# Altium PCB BMS Slave V0.1.PcbDoc (part 5 of 6)
Units mm, origin at the board's own origin, x right, y up, seen from the top; angles counter-clockwise.
Board outline 105 x 163 mm, 4 copper layers (Top Layer, L2 (GND), L3 (PWR), Bottom Layer), stack 1.56 mm thick; 517 components, 382 nets, 1358 pads, 1315 vias.
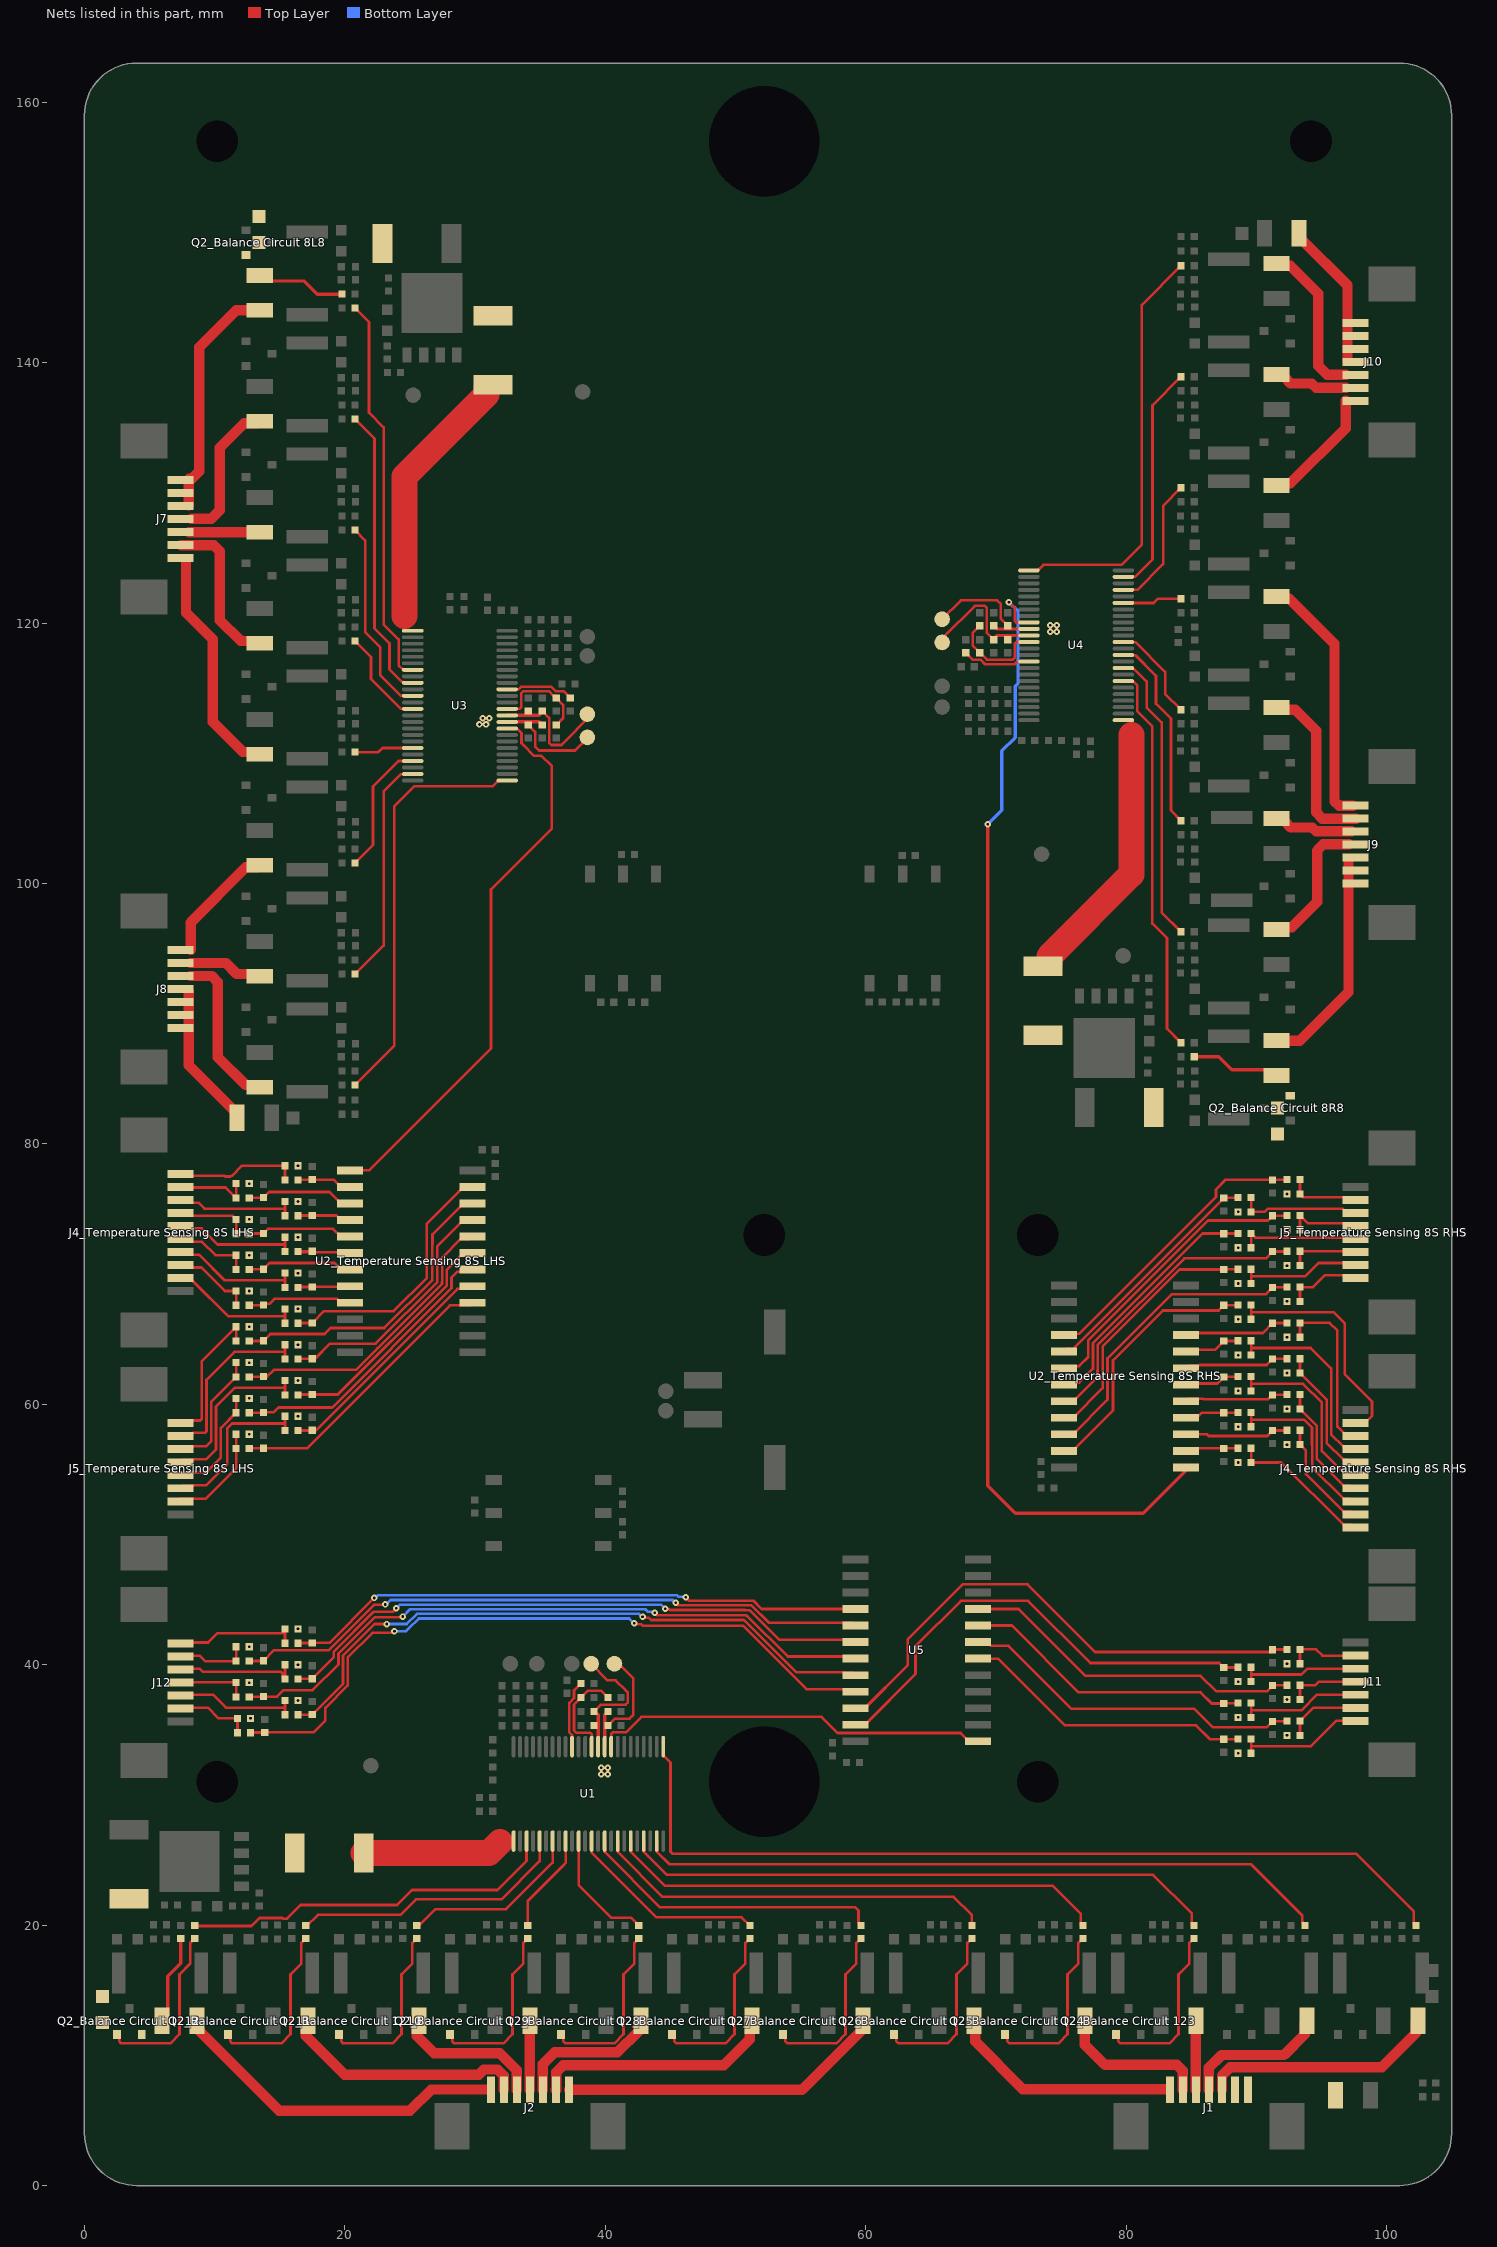
[diagram p7: the nets of this part, all layers, seen from the top]

## Via types
v1: diameter 0.5, hole 0.2, Top Layer to Bottom Layer, tented both sides, 1259 vias
v2: diameter 0.6, hole 0.3, Top Layer to Bottom Layer, tented both sides, 56 vias

## Nets (pads, with @x,y where several pads share a name; then routed paths per layer and width w, separated by ;. In a path a pad name is that pad's centre, name@x,y a point inside that pad or via, vN(x,y) a via of type N, cw(c..) or ccw(c..) an arc to the next point about the centre after c; other vN are vias at no path point) (continued)
"NetQ2_Balance Circuit 123_1": "Q2_Balance Circuit 123.1" "R20_Balance Circuit 123.1" | length 13.4
  Top Layer w0.203: 79.225,11.6 79.387,11.438 79.387,11.088 79.55,10.925 83.325,10.925 84.025,11.625 84.025,16.225 84.85,17.05 84.85,18.625 85.2,18.975
"NetQ2_Balance Circuit 124_1": "Q2_Balance Circuit 124.1" "R20_Balance Circuit 124.1" | length 13.4
  Top Layer w0.203: 70.7,11.6 70.862,11.438 70.862,11.088 71.025,10.925 74.8,10.925 75.5,11.625 75.5,16.225 76.325,17.05 76.325,18.625 76.675,18.975
"NetQ2_Balance Circuit 125_1": "Q2_Balance Circuit 125.1" "R20_Balance Circuit 125.1" | length 13.4
  Top Layer w0.203: 62.175,11.6 62.337,11.438 62.337,11.088 62.5,10.925 66.275,10.925 66.975,11.625 66.975,16.225 67.8,17.05 67.8,18.625 68.15,18.975
"NetQ2_Balance Circuit 126_1": "Q2_Balance Circuit 126.1" "R20_Balance Circuit 126.1" | length 13.4
  Top Layer w0.203: 53.65,11.6 53.812,11.438 53.812,11.088 53.975,10.925 57.75,10.925 58.45,11.625 58.45,16.225 59.275,17.05 59.275,18.625 59.625,18.975
"NetQ2_Balance Circuit 127_1": "Q2_Balance Circuit 127.1" "R20_Balance Circuit 127.1" | length 13.4
  Top Layer w0.203: 45.125,11.6 45.287,11.438 45.287,11.088 45.45,10.925 49.225,10.925 49.925,11.625 49.925,16.225 50.75,17.05 50.75,18.625 51.1,18.975
"NetQ2_Balance Circuit 128_1": "Q2_Balance Circuit 128.1" "R20_Balance Circuit 128.1" | length 13.4
  Top Layer w0.203: 36.6,11.6 36.762,11.438 36.762,11.088 36.925,10.925 40.7,10.925 41.4,11.625 41.4,16.225 42.225,17.05 42.225,18.625 42.575,18.975
"NetQ2_Balance Circuit 129_1": "Q2_Balance Circuit 129.1" "R20_Balance Circuit 129.1" | length 13.4
  Top Layer w0.203: 28.075,11.6 28.237,11.438 28.237,11.088 28.4,10.925 32.175,10.925 32.875,11.625 32.875,16.225 33.7,17.05 33.7,18.625 34.05,18.975
"NetQ2_Balance Circuit 1210_1": "Q2_Balance Circuit 1210.1" "R20_Balance Circuit 1210.1" | length 13.4
  Top Layer w0.203: 19.55,11.6 19.712,11.438 19.712,11.088 19.875,10.925 23.65,10.925 24.35,11.625 24.35,16.225 25.175,17.05 25.175,18.625 25.525,18.975
"NetQ2_Balance Circuit 1211_1": "Q2_Balance Circuit 1211.1" "R20_Balance Circuit 1211.1" | length 13.4
  Top Layer w0.203: 11.025,11.6 11.187,11.438 11.187,11.088 11.35,10.925 15.125,10.925 15.825,11.625 15.825,16.225 16.65,17.05 16.65,18.625 17,18.975
"NetQ2_Balance Circuit 1212_1": "Q2_Balance Circuit 1212.1" "R20_Balance Circuit 1212.1" | length 13.4
  Top Layer w0.203: 2.5,11.6 2.662,11.438 2.662,11.088 2.825,10.925 6.6,10.925 7.3,11.625 7.3,16.225 8.125,17.05 8.125,18.625 8.475,18.975
NetR3_1: R3.1 U1.1 | length 10.8
  Top Layer w2: R3.1@21.45,25.525 31.05,25.525 31.925,26.4
NetR5_1: R5.1 R6.2 U1.36 | length 7.6
  Top Layer w0.203: R5.1@37.955,37.458 37.955,37.283 37.599,36.927 37.599,34.951 37.765,34.785 38.834,34.785 38.953,34.666 U1.36@38.953,33.706 ; R5.1@38.128,37.481 38.657,38.01 39.674,38.01 R6.2@40.203,37.481
NetR29_1: R29.1 U3.1 | length 20.1
  Top Layer w2: 24.592,120.551 24.592,131.261 30.888,137.557 R29.1@30.888,138.057
NetR31_1: R31.1 R32.2 U3.36 | length 7.6
  Top Layer w0.203: U3.36@32.463,113.407 33.423,113.407 33.542,113.526 33.542,114.595 33.708,114.761 35.684,114.761 36.04,114.405 R31.1@36.215,114.405 ; R32.2@36.238,112.157 36.767,112.686 36.767,113.703 R31.1@36.238,114.232
NetR47_1: R47.1 U4.1 | length 20.1
  Top Layer w2: R47.1@74.112,93.893 74.112,94.393 80.408,100.689 80.408,111.399
NetR49_1: R49.1 R50.2 U4.36 | length 7.6
  Top Layer w0.203: R49.1@68.762,117.718 68.233,118.247 68.233,119.264 R50.2@68.762,119.793 ; R49.1@68.785,117.545 68.96,117.545 69.316,117.189 71.292,117.189 71.458,117.355 71.458,118.424 71.577,118.543 U4.36@72.537,118.543
NetU1_33: U1.33 U5.1 | length 30.5
  Top Layer w0.203: U1.33@40.453,33.706 40.453,34.672 40.583,34.802 41.583,34.802 42.781,36 56.6,36 57.85,34.75 67.29,34.75 67.925,34.115 U5.1@68.625,34.115
"NetU2_Temperature Sensing 8S LHS_1": "U2_Temperature Sensing 8S LHS.1" U3.33 | length 43.4
  Top Layer w0.203: 20.4,77.96 21.86,77.96 31.225,87.325 31.225,99.55 35.892,104.217 35.892,108.414 35.894,108.417 35.894,108.834 35.892,108.837 35.892,109.008 35.095,109.805 34.534,109.805 33.711,110.628 33.708,110.628 33.559,110.777 33.559,111.557 33.305,111.811 33.302,111.811 33.255,111.859 33.213,111.859 33.164,111.907 U3.33@32.463,111.907
"NetU2_Temperature Sensing 8S RHS_1": "U2_Temperature Sensing 8S RHS.1" U4.33 | length 90.4
  Top Layer w0.203: v1(71,121.6) 71.014,121.6 71.441,121.173 71.441,120.173 71.571,120.043 U4.33@72.537,120.043 ; 83.912,55.153 84.613,55.153
  Top Layer w0.254: v1(69.375,104.55) 69.375,53.75 71.5,51.625 81.299,51.625 84.834,55.16
  Bottom Layer w0.254: v1(69.375,104.55) 70.449,105.624 70.449,110.175 71.475,111.201 71.475,115.146 71.7,115.371 71.7,120.9 v1(71,121.6)
NTC1: "R25_NTC Sense 12S1.1" "R26_NTC Sense 12S1.2" J12.6 | length 4.9
  Top Layer w0.203: J12.6@8.15,36.7 9.475,36.7 10.3,35.875 11.65,35.875 ; 11.75,34.775 11.75,35.875
"NTC1_Temperature Sensing 8S LHS": "J5_Temperature Sensing 8S LHS.7" "R25_NTC Sense 8S1.1" "R26_NTC Sense 8S1.2" | length 7.9
  Top Layer w0.203: 7.325,52.75 9.321,52.75 11.65,55.079 11.65,56.6 11.65,57.7
"NTC1_Temperature Sensing 8S RHS": "J5_Temperature Sensing 8S RHS.7" "R25_NTC Sense 8S17.1" "R26_NTC Sense 8S17.2" | length 5.6
  Top Layer w0.203: 93.35,77.25 93.35,76.15 93.6,75.9 97.78,75.9
NTC2: "R25_NTC Sense 12S2.1" "R26_NTC Sense 12S2.2" J12.5 | length 8.8
  Top Layer w0.203: J12.5@8.15,37.7 9.875,37.7 10.875,36.7 15.4,36.7 ; 15.4,36.15 15.4,36.7 ; 15.4,37.25 15.4,36.7
"NTC2_Temperature Sensing 8S LHS": "J5_Temperature Sensing 8S LHS.6" "R25_NTC Sense 8S2.1" "R26_NTC Sense 8S2.2" | length 12.8
  Top Layer w0.203: 7.375,53.55 7.578,53.753 8.371,53.753 8.392,53.775 9.346,53.775 10.972,55.401 10.972,58.169 11.328,58.525 15.4,58.525 ; 15.4,57.975 15.4,58.525 ; 15.4,59.075 15.4,58.525
"NTC2_Temperature Sensing 8S RHS": "J5_Temperature Sensing 8S RHS.6" "R25_NTC Sense 8S18.1" "R26_NTC Sense 8S18.2" | length 9.4
  Top Layer w0.203: 89.6,75.875 89.6,74.775 90.641,74.775 90.895,75.029 96.608,75.029 96.727,74.91 96.727,74.893 96.93,74.69 97.625,74.69
NTC3: "R25_NTC Sense 12S3.1" "R26_NTC Sense 12S3.2" J12.4 | length 4.6
  Top Layer w0.203: J12.4@8.15,38.7 8.188,38.663 11.612,38.663 11.65,38.625 11.65,37.525
"NTC3_Temperature Sensing 8S LHS": "J5_Temperature Sensing 8S LHS.5" "R25_NTC Sense 8S3.1" "R26_NTC Sense 8S3.2" | length 8.7
  Top Layer w0.203: 7.25,54.75 9.321,54.75 10.475,55.904 10.475,58.175 11.65,59.35 11.65,60.45
"NTC3_Temperature Sensing 8S RHS": "J5_Temperature Sensing 8S RHS.5" "R25_NTC Sense 8S19.1" "R26_NTC Sense 8S19.2" | length 5.6
  Top Layer w0.203: 93.35,73.4 93.35,74.5 93.95,73.9 97.594,73.9
NTC4: "R25_NTC Sense 12S4.1" "R26_NTC Sense 12S4.2" J12.3 | length 8.8
  Top Layer w0.203: J12.3@8.15,39.7 8.845,39.7 9.095,39.45 15.103,39.45 15.252,39.301 15.252,39.048 15.4,38.9 15.4,40
"NTC4_Temperature Sensing 8S LHS": "J5_Temperature Sensing 8S LHS.4" "R25_NTC Sense 8S4.1" "R26_NTC Sense 8S4.2" | length 13.4
  Top Layer w0.203: 7.375,55.55 7.578,55.753 8.371,55.753 8.392,55.775 9.346,55.775 10.1,56.529 10.1,59.825 11.55,61.275 15.4,61.275 ; 15.4,60.725 15.4,61.275 ; 15.4,61.825 15.4,61.275
"NTC4_Temperature Sensing 8S RHS": "J5_Temperature Sensing 8S RHS.4" "R25_NTC Sense 8S20.1" "R26_NTC Sense 8S20.2" | length 8.8
  Top Layer w0.203: 89.6,72.025 89.6,73.125 89.925,72.8 97.166,72.8
NTC5: "R25_NTC Sense 12S5.1" "R26_NTC Sense 12S5.2" J12.2 | length 4.8
  Top Layer w0.203: J12.2@8.15,40.7 8.845,40.7 9.27,40.275 11.65,40.275 11.65,41.375
"NTC5_Temperature Sensing 8S LHS": "J5_Temperature Sensing 8S LHS.3" "R25_NTC Sense 8S5.1" "R26_NTC Sense 8S5.2" | length 9.4
  Top Layer w0.203: 7.375,56.55 7.578,56.753 8.371,56.753 8.392,56.775 9.346,56.775 9.725,57.154 9.725,57.651 9.731,57.657 9.731,60.181 11.65,62.1 11.65,63.2
"NTC5_Temperature Sensing 8S RHS": "J5_Temperature Sensing 8S RHS.3" "R25_NTC Sense 8S21.1" "R26_NTC Sense 8S21.2" | length 5.4
  Top Layer w0.203: 93.35,70.65 93.35,71.75 97.565,71.75 97.625,71.69
NTC6: "R25_NTC Sense 12S6.1" "R26_NTC Sense 12S6.2" J12.1 | length 8.3
  Top Layer w0.203: J12.1@8.15,41.7 9.5,41.7 10.225,42.425 15.4,42.425 15.4,41.65
"NTC6_Temperature Sensing 8S LHS": "J5_Temperature Sensing 8S LHS.2" "R25_NTC Sense 8S6.1" "R26_NTC Sense 8S6.2" | length 14.1
  Top Layer w0.203: 7.375,57.55 8.07,57.55 8.324,57.804 9.256,57.804 9.375,57.923 9.375,61.875 11.525,64.025 15.4,64.025 ; 15.4,63.475 15.4,64.025 ; 15.4,64.575 15.4,64.025
"NTC6_Temperature Sensing 8S RHS": "J5_Temperature Sensing 8S RHS.2" "R25_NTC Sense 8S22.1" "R26_NTC Sense 8S22.2" | length 9.1
  Top Layer w0.203: 89.6,69.275 89.6,69.825 ; 89.6,70.375 89.6,69.825 ; 97.221,70.85 94.775,70.85 93.75,69.825 89.6,69.825
NTC7: "R25_NTC Sense 12S7.1" "R26_NTC Sense 12S7.2" J11.6 | length 4.8
  Top Layer w0.203: 93.35,40.075 93.35,41.175 94.589,41.175 95.064,40.7 J11.6@96.85,40.7
"NTC7_Temperature Sensing 8S LHS": "J5_Temperature Sensing 8S LHS.1" "R25_NTC Sense 8S7.1" "R26_NTC Sense 8S7.2" | length 11
  Top Layer w0.203: 7.375,58.55 7.575,58.75 8.881,58.75 9,58.869 9,63.3 11.65,65.95 11.65,64.85
"NTC7_Temperature Sensing 8S RHS": "J5_Temperature Sensing 8S RHS.1" "R25_NTC Sense 8S23.1" "R26_NTC Sense 8S23.2" | length 5.3
  Top Layer w0.203: 93.35,67.9 93.35,69 94.35,69 95.25,69.9 97.167,69.9
NTC8: "R25_NTC Sense 12S8.1" "R26_NTC Sense 12S8.2" J11.5 | length 8.5
  Top Layer w0.203: 89.6,38.7 89.6,39.25 ; 89.6,39.8 89.6,39.25 ; J11.5@96.85,39.7 93.92,39.7 93.47,39.25 89.6,39.25
"NTC8_Temperature Sensing 8S LHS": "J4_Temperature Sensing 8S LHS.9" "R25_NTC Sense 8S8.1" "R26_NTC Sense 8S8.2" | length 10.4
  Top Layer w0.203: 7.375,69.69 7.578,69.487 8.313,69.487 11.05,66.75 15.375,66.75 15.4,66.775 ; 15.4,66.225 15.4,66.775 ; 15.4,67.325 15.4,66.775
"NTC8_Temperature Sensing 8S RHS": "J4_Temperature Sensing 8S RHS.9" "R25_NTC Sense 8S24.1" "R26_NTC Sense 8S24.2" | length 18.1
  Top Layer w0.203: 89.6,66.525 89.6,67.075 ; 89.6,67.625 89.6,67.075 ; 97.625,58.55 98.32,58.55 98.879,59.109 98.879,60.216 96.8,62.295 96.8,66.2 95.925,67.075 89.6,67.075
NTC9: "R25_NTC Sense 12S9.1" "R26_NTC Sense 12S9.2" J11.4 | length 4.7
  Top Layer w0.203: 93.35,37.325 93.35,38.425 94.526,38.425 94.801,38.7 J11.4@96.85,38.7
"NTC9_Temperature Sensing 8S LHS": "J4_Temperature Sensing 8S LHS.8" "R25_NTC Sense 8S9.1" "R26_NTC Sense 8S9.2" | length 6.3
  Top Layer w0.203: 7.168,70.5 8.975,70.5 10.775,68.7 11.65,68.7 11.65,67.6
"NTC9_Temperature Sensing 8S RHS": "J4_Temperature Sensing 8S RHS.8" "R25_NTC Sense 8S25.1" "R26_NTC Sense 8S25.2" | length 12.5
  Top Layer w0.203: 93.35,65.15 93.35,66.25 95.625,66.25 96.225,65.65 96.225,58.275 96.875,57.625
NTC10: "R25_NTC Sense 12S10.1" "R26_NTC Sense 12S10.2" J11.3 | length 8.8
  Top Layer w0.203: 89.6,35.95 89.6,36.5 ; 89.6,37.05 89.6,36.5 ; J11.3@96.85,37.7 94.67,37.7 93.47,36.5 89.6,36.5
"NTC10_Temperature Sensing 8S LHS": "J4_Temperature Sensing 8S LHS.7" "R25_NTC Sense 8S10.1" "R26_NTC Sense 8S10.2" | length 9.5
  Top Layer w0.203: 7.853,71.575 7.941,71.487 8.788,71.487 10.75,69.525 15.4,69.525 ; 15.4,68.975 15.4,69.525 ; 15.4,70.075 15.4,69.525
"NTC10_Temperature Sensing 8S RHS": "J4_Temperature Sensing 8S RHS.7" "R25_NTC Sense 8S26.1" "R26_NTC Sense 8S26.2" | length 15.2
  Top Layer w0.203: 89.6,63.775 89.6,64.325 ; 89.6,64.875 89.6,64.325 ; 97.45,56.525 97.221,56.753 96.676,56.753 95.75,57.679 95.75,62.75 94.175,64.325 89.6,64.325
NTC11: "R25_NTC Sense 12S11.1" "R26_NTC Sense 12S11.2" J11.2 | length 5
  Top Layer w0.203: 93.35,34.575 93.35,35.675 94.375,36.7 J11.2@96.85,36.7
"NTC11_Temperature Sensing 8S LHS": "J4_Temperature Sensing 8S LHS.6" "R25_NTC Sense 8S11.1" "R26_NTC Sense 8S11.2" | length 5.9
  Top Layer w0.203: 7.375,72.69 7.578,72.487 8.381,72.487 8.392,72.475 9.025,72.475 10.05,71.45 11.65,71.45 11.65,70.35
"NTC11_Temperature Sensing 8S RHS": "J4_Temperature Sensing 8S RHS.6" "R25_NTC Sense 8S27.1" "R26_NTC Sense 8S27.2" | length 9.7
  Top Layer w0.203: 93.35,63.5 93.35,62.4 95.394,60.356 95.394,57.035 96.676,55.753 96.923,55.753 97.151,55.525
NTC12: "R25_NTC Sense 12S12.1" "R26_NTC Sense 12S12.2" J11.1 | length 9.2
  Top Layer w0.203: 89.6,33.2 89.6,33.75 ; 89.6,34.3 89.6,33.75 ; J11.1@96.85,35.7 96.155,35.7 94.205,33.75 89.6,33.75
"NTC12_Temperature Sensing 8S LHS": "J4_Temperature Sensing 8S LHS.5" "R25_NTC Sense 8S12.1" "R26_NTC Sense 8S12.2" | length 9.7
  Top Layer w0.203: 7.375,73.69 7.565,73.5 9,73.5 10.225,72.275 15.4,72.275 ; 15.4,71.725 15.4,72.275 ; 15.4,72.825 15.4,72.275
"NTC12_Temperature Sensing 8S RHS": "J4_Temperature Sensing 8S RHS.5" "R25_NTC Sense 8S28.1" "R26_NTC Sense 8S28.2" | length 13.8
  Top Layer w0.203: 89.6,61.025 89.6,61.575 ; 89.6,62.125 89.6,61.575 ; 97.2,54.675 97.121,54.753 96.676,54.753 95.025,56.404 95.025,60.15 93.6,61.575 89.6,61.575
"NTC13_Temperature Sensing 8S LHS": "J4_Temperature Sensing 8S LHS.4" "R25_NTC Sense 8S13.1" "R26_NTC Sense 8S13.2" | length 4.9
  Top Layer w0.203: 8.035,74.725 8.273,74.487 8.381,74.487 8.392,74.475 11.375,74.475 11.65,74.2 11.65,73.1
"NTC13_Temperature Sensing 8S RHS": "J4_Temperature Sensing 8S RHS.4" "R25_NTC Sense 8S29.1" "R26_NTC Sense 8S29.2" | length 8.9
  Top Layer w0.203: 93.35,60.75 93.35,59.65 94.65,58.35 94.65,55.779 96.676,53.753 97.154,53.753 97.157,53.75
"NTC14_Temperature Sensing 8S LHS": "J4_Temperature Sensing 8S LHS.3" "R25_NTC Sense 8S14.1" "R26_NTC Sense 8S14.2" | length 9.4
  Top Layer w0.203: 7.375,75.69 7.578,75.487 8.749,75.487 9.211,75.025 15.4,75.025 ; 15.4,74.475 15.4,75.025 ; 15.4,75.575 15.4,75.025
"NTC14_Temperature Sensing 8S RHS": "J4_Temperature Sensing 8S RHS.3" "R25_NTC Sense 8S30.1" "R26_NTC Sense 8S30.2" | length 12.9
  Top Layer w0.203: 89.6,58.275 89.6,58.825 ; 89.6,59.375 89.6,58.825 ; 97.101,52.75 97.098,52.753 96.676,52.753 94.28,55.149 94.28,56.87 94.275,56.875 94.275,58.222 93.672,58.825 89.6,58.825
"NTC15_Temperature Sensing 8S LHS": "J4_Temperature Sensing 8S LHS.2" "R25_NTC Sense 8S15.1" "R26_NTC Sense 8S15.2" | length 5.1
  Top Layer w0.203: 7.945,76.65 10.85,76.65 11.65,75.85 11.65,76 11.65,76.95
"NTC15_Temperature Sensing 8S RHS": "J4_Temperature Sensing 8S RHS.2" "R25_NTC Sense 8S31.1" "R26_NTC Sense 8S31.2" | length 8.2
  Top Layer w0.203: 93.35,58 93.35,56.9 93.8,56.45 93.8,54.629 96.676,51.753 97.221,51.753 97.225,51.75
"NTC16_Temperature Sensing 8S LHS": "J4_Temperature Sensing 8S LHS.1" "R25_NTC Sense 8S16.1" "R26_NTC Sense 8S16.2" | length 9.1
  Top Layer w0.203: 7.737,77.55 10.737,77.55 10.791,77.496 11.209,77.496 11.263,77.55 11.341,77.55 12.116,78.325 15.4,78.325 15.4,77.225
"NTC16_Temperature Sensing 8S RHS": "J4_Temperature Sensing 8S RHS.1" "R25_NTC Sense 8S32.1" "R26_NTC Sense 8S32.2" | length 10.7
  Top Layer w0.203: 89.6,56.625 89.6,55.525 91.904,55.525 96.676,50.753 97.218,50.753 97.222,50.75
Out1: "C13_NTC Sense 12S1.2" "R26_NTC Sense 12S1.1" U5.21 | length 54.4
  Top Layer w0.203: 12.75,34.775 12.763,34.787 13.838,34.787 13.85,34.8 ; 13.75,34.8 13.85,34.8 ; v1(23.808,42.575) 23.727,42.575 23.602,42.45 22.125,42.45 20.216,40.541 20.216,38.388 18.5,36.672 18.5,35.7 17.6,34.8 13.85,34.8 ; v1(42.209,43.17) 42.266,43.114 42.751,43.114 42.865,43 50.575,43 55.45,38.125 58.208,38.125 58.209,38.123 59.027,38.123 U5.21@59.225,37.925
  Bottom Layer w0.203: v1(23.808,42.575) 24.7,42.575 24.894,42.769 24.897,42.769 25.675,43.547 41.832,43.547 v1(42.209,43.17)
"Out1_Temperature Sensing 8S LHS": "C13_NTC Sense 8S1.2" "R26_NTC Sense 8S1.1" "U2_Temperature Sensing 8S LHS.16" | length 21.8
  Top Layer w0.203: 12.65,56.6 12.663,56.613 13.738,56.613 ; 13.75,56.625 13.738,56.613 ; 29.8,67.8 29.602,67.602 28.076,67.602 17.088,56.613 13.738,56.613
"Out1_Temperature Sensing 8S RHS": "C13_NTC Sense 8S17.2" "R26_NTC Sense 8S17.1" "U2_Temperature Sensing 8S RHS.16" | length 22.6
  Top Layer w0.203: 75.213,65.313 75.913,65.313 76.012,65.412 ; 76.111,65.511 76.012,65.412 ; 91.25,77.225 91.262,77.238 92.337,77.238 92.35,77.25 ; 91.25,77.25 87.65,77.25 86.9,76.5 86.9,75.917 76.394,65.412 76.111,65.412 76.012,65.412
Out2: "C13_NTC Sense 12S2.2" "R26_NTC Sense 12S2.1" U5.20 | length 49.3
  Top Layer w0.203: 16.4,36.15 16.413,36.163 17.488,36.163 17.5,36.175 19.86,38.535 19.86,40.71 22.275,43.125 v1(23.225,43.125) ; v1(42.859,43.67) 42.916,43.614 43.334,43.614 43.515,43.433 50.645,43.433 54.653,39.425 58.208,39.425 58.239,39.393 59.027,39.393 U5.20@59.225,39.195
  Bottom Layer w0.203: v1(23.225,43.125) 24.75,43.125 25.528,43.903 42.591,43.903 42.823,43.67 v1(42.859,43.67)
"Out2_Temperature Sensing 8S LHS": "C13_NTC Sense 8S2.2" "R26_NTC Sense 8S2.1" "U2_Temperature Sensing 8S LHS.17" | length 17.7
  Top Layer w0.203: 16.4,57.975 16.413,57.988 17.488,57.988 17.5,58 ; 17.781,58 28.652,68.872 29.602,68.872 29.8,69.07
"Out2_Temperature Sensing 8S RHS": "C13_NTC Sense 8S18.2" "R26_NTC Sense 8S18.1" "U2_Temperature Sensing 8S RHS.17" | length 18.3
  Top Layer w0.203: 75.213,64.043 75.411,64.241 75.918,64.241 87.327,75.65 87.327,75.677 87.484,75.834 87.511,75.834 ; 87.5,75.85 87.512,75.863 88.587,75.863 88.6,75.875
Out3: "C13_NTC Sense 12S3.2" "R26_NTC Sense 12S3.1" U5.19 | length 51.6
  Top Layer w0.203: 12.65,37.525 12.663,37.538 13.738,37.538 13.75,37.55 14.791,37.55 15.288,38.047 17.532,38.047 19.504,40.02 19.504,40.857 22.297,43.65 v1@24.45,43.65 ; v1@24.356,43.556 v1@24.45,43.65 ; v1(24.45,43.7) v1@24.45,43.65 ; v1(43.806,44) 44.017,43.788 50.792,43.788 50.831,43.75 50.9,43.75 54.025,40.625 59.065,40.625 U5.19@59.225,40.465
  Bottom Layer w0.203: v1(24.45,43.7) 25.008,44.258 27.308,44.258 43.094,44.258 43.295,44.057 43.749,44.057 v1(43.806,44)